# Altium PCB 电感板PCB.PcbDoc
Units mil, origin at the board's own origin, x right, y up, seen from the top; angles counter-clockwise.
Board outline 9055.12 x 1240.24 mil, 2 copper layers (Top Layer, Bottom Layer); 90 components, 45 nets, 228 pads, 148 vias.
Unrouted connection lines stored in the file: 37.
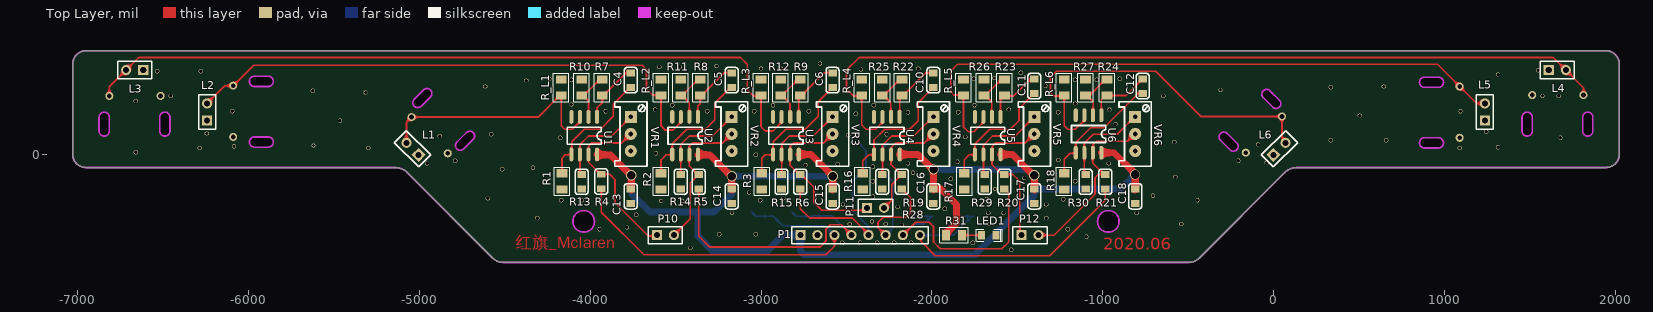
[diagram p0: Top Layer view]
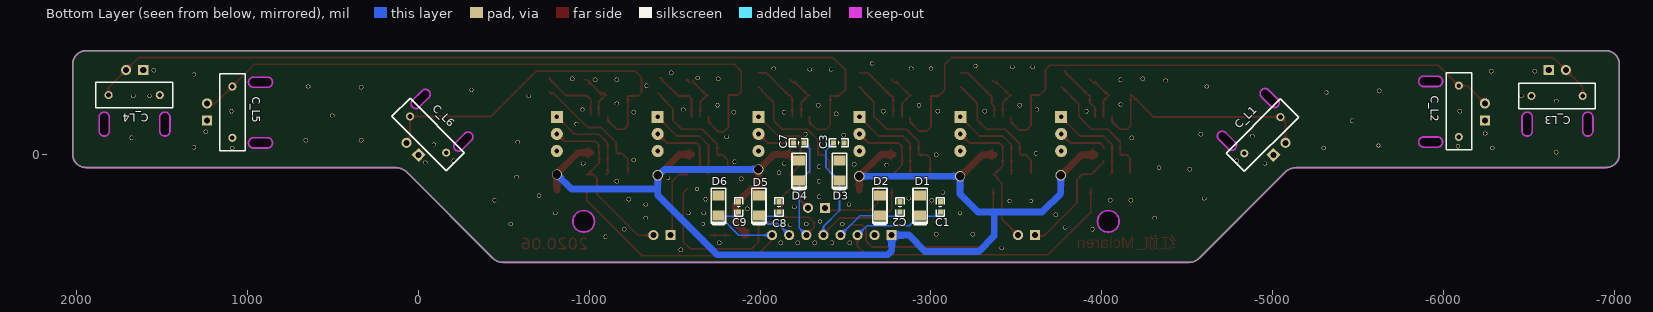
[diagram p1: Bottom Layer view, seen from below]
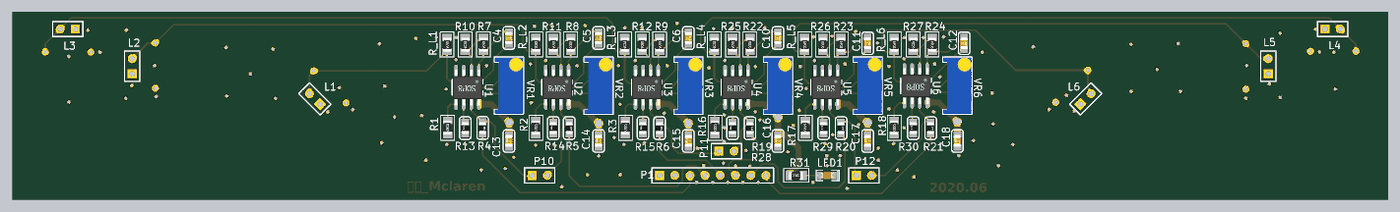
[diagram p2: 3D render of the assembled board from above, using the file's embedded part models]
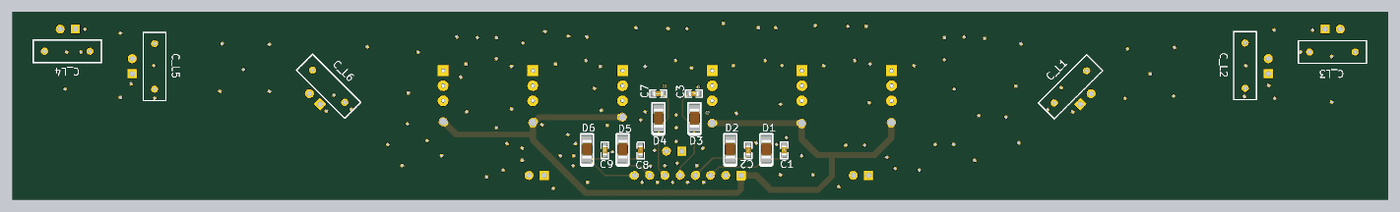
[diagram p3: 3D render of the assembled board from below, using the file's embedded part models]

## Layer stack, top to bottom
Top Solder: solder mask 0.4, Solder Resist, Dk 3.5
Top Layer: signal copper 1.4
Dielectric 1: dielectric 12.6, FR-4, Dk 4.8
Bottom Layer: signal copper 1.4
Bottom Solder: solder mask 0.4, Solder Resist, Dk 3.5

## Board outline
-6951.26,-74.29 -5140.24,-74.29 cw(c-5140.59,-170.25) -5072.92,-102.21 -4570.07,-605.07 -4570,-605 ccw(c-4509.9,-544.9) -4509.9,-629.9 -4510,-630 -495,-630 ccw(c-495,-545) -434.9,-605.1 -435,-605 67.68,-102.32 67.68,-102.31 cw(c135.35,-170.35) 135,-74.39 135.35,-74.29 1946.38,-74.29 ccw(c1946.38,4.45) 2025.12,4.45 2025,5 2025,530 ccw(c1945,530) 1945,610 1946.26,610 -6951.26,610.24 -6950,610 ccw(c-6950,530) -7030,530 -7030,4.45 ccw(c-6951.26,4.45)
cut-out: -60.68,335.68 -5,280 ccw(c15,300) 35,320 -20.68,375.68 -20,375 ccw(c-40,355)
cut-out: -6875,140 ccw(c-6845,140) -6815,140 -6815,220 ccw(c-6845,220) -6875,220
cut-out: -6520,140 ccw(c-6490,140) -6460,140 -6460,220 ccw(c-6490,220) -6520,220
cut-out: -5965,45 cw(c-5965,75) -5965,105 -5885,105 cw(c-5885,75) -5885,45
cut-out: -5965,400 cw(c-5965,430) -5965,460 -5885,460 cw(c-5885,430) -5885,400
cut-out: -5030,325 ccw(c-5010,305) -4990,285 -4934.32,340.68 -4935,340 ccw(c-4955,360) -4975,380 -4974.32,380.68
cut-out: -4780,75 ccw(c-4760,55) -4740,35 -4684.32,90.68 -4685,90 ccw(c-4705,110) -4725,130 -4724.32,130.68
cut-out: -310,85 -254.32,29.32 -255,30 ccw(c-235,50) -215,70 -214.32,69.32 -270,125 ccw(c-290,105)
cut-out: 885,395 965,395 ccw(c965,425) 965,455 885,455 ccw(c885,425)
cut-out: 885,40 cw(c885,70) 885,100 965,100 cw(c965,70) 965,40
cut-out: 1810,140 ccw(c1840,140) 1870,140 1870,220 ccw(c1840,220) 1810,220
cut-out: 1455,140 1455,220 cw(c1485,220) 1515,220 1515,140 cw(c1485,140)
cut-out: -1030,-389.25 ccw(c-967.01,-389.25) -967.01,-452.24 ccw(c-967.01,-389.25) -904.02,-389.25 ccw(c-967.01,-389.25) -967.01,-326.26 ccw(c-967.01,-389.25)
cut-out: -4100.87,-389.25 ccw(c-4037.87,-389.25) -4037.87,-452.24 ccw(c-4037.87,-389.25) -3974.88,-389.25 ccw(c-4037.87,-389.25) -4037.87,-326.26 ccw(c-4037.87,-389.25)

## Design rules (kind name [scope] priority, off if disabled: settings)
Clearance [All] p1: gap=10 ignorepadtopadclearanceinfootprint=FALSE except(0: Arc-Hole Track-Hole SMDPad-Hole THPad-Hole Via-Hole Fill-Hole Poly-Hole Region-Hole Text-Hole)
MinimumSolderMaskSliver [All] p1: minsoldermaskwidth=5
PolygonConnect [InNet('GND') vs InNet('GND')] p1: connectstyle=Direct reliefconductorwidth=10 reliefentries=4 polygonreliefangle="90 Angle" airgapwidth=10
RoutingVias [All] p1: holewidth=28 width=50 viastyle="Through Hole" minholewidth=28 minwidth=50 maxholewidth=28 maxwidth=50
SilkToSilkClearance [All] p1: silktosilkclearance=0
SilkToSolderMaskClearance [IsPad] p1: minsilkscreentomaskgap=0 clearancetoexposedcopper=TRUE
SolderMaskExpansion [All] p1: expansion=4
Width GND [InNet('GND')] p1: maxlimit=30 minlimit=30 preferedwidth=30
Width 5V [InNet('5V')] p2: maxlimit=40 minlimit=40 preferedwidth=40
Width OTHER [All] p3: maxlimit=10 minlimit=10 preferedwidth=10
27 further rules are at their usual default settings.

## Classes and differential pairs
component class 电感板原理图: C1 C2 C3 C4 C5 C6 C7 C8 C9 C10 C11 C12 C13 C14 C15 C16 C17 C18 C_L2 C_L3 C_L5 C_L6 D1 D2 D3 D4 D5 D6 L2 L3 L5 L6 LED1 P1 P10 P11 P12 R1 R2 R3 R4 R5 R6 R7 R8 R9 R10 R11 R12 R13 R14 R15 R16 R17 R18 R19 R20 R21 R22 R23 R24 R25 R26 R27 R28 R29 R30 R31 R_L1 R_L2 R_L3 R_L4 R_L5 R_L6 U1 U2 U3 U4 U5 U6 VR1 VR2 VR3 VR4 VR5

## Components (designator, comment, footprint, x,y, rotation, side; value= is the part's Value field where it differs from the comment)
C1 "2.2μF" "C 0603_L" -3054.88,-305 r90 bottom
C2 "2.2μF" "C 0603_L" -2818.66,-305 r90 bottom
C3 "2.2μF" "C 0603_L" -2460,70 r180 bottom
C4 "2.2nF" 0805C -3762.24,480 r270 top
C5 "2.2nF" 0805C -3171.69,480 r270 top
C6 "2.2nF" 0805C -2581.14,480 r270 top
C7 "2.2μF" "C 0603_L" -2225,70 r0 bottom
C8 "2.2μF" "C 0603_L" -2110,-305 r90 bottom
C9 "2.2μF" "C 0603_L" -1873.78,-305 r90 bottom
C10 "2.2nF" 0805C -1990.59,480 r270 top
C11 "2.2nF" 0805C -1400.04,445 r270 top
C12 "2.2nF" 0805C -765,445 r270 top
C13 "100nF" 0805C -3762.24,-285 r90 top
C14 "100nF" 0805C -3171.69,-285 r90 top
C15 "100nF" 0805C -2581.14,-285 r90 top
C16 "100nF" 0805C -1990.59,-285 r90 top
C17 "100nF" 0805C -1400.04,-285 r90 top
C18 "100nF" 0805C -809.49,-285 r90 top
C_L1 "矫正" RAD-0.3 -4940,115 r135 bottom value=6.8nF (schematic designator C_L3)
C_L2 "矫正" RAD-0.3 -6090,255 r90 bottom value=6.8nF
C_L3 "矫正" RAD-0.3 -6665,345 r180 bottom value=6.8nF (schematic designator C_L1)
C_L4 "矫正" RAD-0.3 1665,350 r0 bottom value=6.8nF (schematic designator C_L6)
C_L5 "矫正" RAD-0.3 1090,250 r90 bottom value=6.8nF
C_L6 "矫正" RAD-0.3 -56.07,118.93 r45 bottom value=6.8nF (schematic designator C_L4)
D1 "ZMM5.1" 1206C -2936.77,-355 r90 bottom
D2 "ZMM5.1" 1206C -2700.55,-355 r90 bottom
D3 "ZMM5.1" 1206C -2464.33,-150 r90 bottom
D4 "ZMM5.1" 1206C -2228.11,-150 r90 bottom
D5 "ZMM5.1" 1206C -1991.89,-355 r90 bottom
D6 "ZMM5.1" 1206C -1755.67,-355 r90 bottom
L1 "Inductor" HDR1X2 -5005,0 r135 top value=10mH (schematic designator L3)
L2 "Inductor" HDR1X2 -6242.6,201.3 r90 top value=10mH
L3 "Inductor" HDR1X2 -6616.61,496.57 r180 top value=10mH (schematic designator L1)
L4 "Inductor" HDR1X2 1611.73,496.57 r0 top value=10mH (schematic designator L6)
L5 "Inductor" HDR1X2 1237.72,201.3 r90 top value=10mH
L6 "Inductor" HDR1X2 0.12,0 r45 top value=10mH (schematic designator L4)
LED1 "LED" LED0805R -1710,-470 r0 top
P1 "Header 8" HDR1X8 -2770,-470 r0 top
P10 "Header 2" HDR1X2 -3610,-470 r0 top
P11 "Header 2" HDR1X2 -2380,-310 r0 top
P12 "Header 2" HDR1X2 -1475,-470 r0 top
R1 "10K" 0805-1R -4165,-155 r90 top
R2 "10K" 0805-1R -3585,-155 r90 top
R3 "10K" 0805-1R -2995,-155 r90 top
R4 "100R" 0805-0R -3935,-113.66 r270 top
R5 "100R" 0805-0R -3365,-115 r270 top
R6 "100R" 0805-0R -2770,-115 r270 top
R7 "30K" 0805-1R -3930,395 r270 top
R8 "30K" 0805-1R -3355,395 r270 top
R9 "30K" 0805-1R -2770,395 r270 top
R10 "1K" 0805-1R -4050,395 r270 top
R11 "1K" 0805-1R -3470,395 r270 top
R12 "1K" 0805-1R -2885,395 r270 top
R13 "510R" 0805-0R -4050,-200 r90 top
R14 "510R" 0805-0R -3470,-200 r90 top
R15 "510R" 0805-0R -2880,-200 r90 top
R16 "10K" 0805-1R -2405,-155 r90 top
R17 "10K" 0805-1R -1810,-155 r90 top
R18 "10K" 0805-1R -1225,-155 r90 top
R19 "100R" 0805-0R -2175,-115 r270 top
R20 "100R" 0805-0R -1575,-115 r270 top
R21 "100R" 0805-0R -985,-115 r270 top
R22 "30K" 0805-1R -2175,395 r270 top
R23 "30K" 0805-1R -1575,395 r270 top
R24 "30K" 0805-1R -975,395 r270 top
R25 "1K" 0805-1R -2290,395 r270 top
R26 "1K" 0805-1R -1695,395 r270 top
R27 "1K" 0805-1R -1100,395 r270 top
R28 "510R" 0805-0R -2290,-200 r90 top
R29 "510R" 0805-0R -1690,-200 r90 top
R30 "510R" 0805-0R -1100,-200 r90 top
R31 "1.5K" 0805-1R -1870,-470 r180 top
R_L1 "Res2" 0805-1R -4170,395 r270 top value=100K
R_L2 "Res2" 0805-1R -3585,395 r270 top value=100K
R_L3 "Res2" 0805-1R -3000,395 r270 top value=100K
R_L4 "Res2" 0805-1R -2410,395 r270 top value=100K
R_L5 "Res2" 0805-1R -1815,395 r270 top value=100K
R_L6 "Res2" 0805-1R -1225,395 r270 top value=100K
U1 "LMV358" SOP8 -3959.09,220.98 r270 top
U2 "LMV358" SOP8 -3368.54,220.98 r270 top
U3 "LMV358" SOP8 -2777.99,220.98 r270 top
U4 "LMV358" SOP8 -2187.44,220.98 r270 top
U5 "LMV358" SOP8 -1596.89,220.98 r270 top
U6 "LMV358" SOP8 -1006.34,230.98 r270 top
VR1 "10K" 3296W -3762.24,122.56 r270 top value=1K
VR2 "10K" 3296W -3171.69,122.56 r270 top value=1K
VR3 "10K" 3296W -2581.14,122.56 r270 top value=1K
VR4 "10K" 3296W -1990.59,122.56 r270 top value=1K
VR5 "10K" 3296W -1400.04,122.56 r270 top value=1K
VR6 "10K" 3296W -809.49,122.56 r270 top value=1K

## Footprints (in the part's own frame and the unit in brackets; to place one, negate y for a bottom-side part, rotate by r counter-clockwise, add the part's x,y. Pads: shape width x height; smd on the part's side, far side on the other; paste and mask are expansions set on the pad)
0805-0R [mil]
  rect 40x50 smd: 1(0,0) 2(85,0)
  silkscreen extent -32,-38 117,38, body extent 3,-25 82,25, height 30
0805-1R [mm]
  rect 1.2x1.6 smd: 1(-1.2,0) 2(1.2,0)
  silkscreen extent -2.1,-1.15 2.1,1.15, body extent -1.09,-0.65 1.21,0.7, height 0.76
0805C [mil]
  rect 40x50 smd: 1(0,0) 2(85,0)
  silkscreen extent -32,-38 117,38, body extent 3,-25 82,25, height 30
1206C [mil]
  rect 59.06x70 smd: 1(-1,0) 2(117.11,0)
  silkscreen extent -53,-42 159,42, body extent -5,-32 121,31, height 37
3296W [mm] "Precise Multi-Winding Adjustable Resistor"
  rect 1.8x1.8 hole 0.7: 1(-2.54,0)
  round 1.8 hole 0.7: 2(0,0) 3(2.54,0)
  silkscreen extent -4.8,-2.4 4.8,2.4, body extent -4.75,-2.4 4.75,2.4, height 11.52
"C 0603_L" [mil] "无极性贴片电容"
  rect 30x30 smd: 1(-30.59,0) 2(30.59,0)
  silkscreen extent -55,-24 55,24, body extent -31,-16 31,16, height 32
HDR1X2 [mm] "Connector; Header; 2 Position"
  rect 1.5x1.5 hole 0.9: 1(0,0)
  round 1.5 hole 0.9: 2(2.54,0)
  silkscreen extent -1.27,-1.27 3.81,1.27
HDR1X8 [mm] "Connector; Header; 8 Position"
  rect 1.5x1.5 hole 0.9: 1(0,0)
  round 1.5 hole 0.9: 2(2.54,0) 3(5.08,0) 4(7.62,0) 5(10.16,0) 6(12.7,0) 7(15.24,0) 8(17.78,0)
  silkscreen extent -1.27,-1.27 19.05,1.27
LED0805R [mil]
  rect 40x50 smd: 1(0,0) 2(85,0)
  silkscreen extent -29,-35 123,35, body extent 3,-24 83,25, height 43
RAD-0.3 [mm] "Radial Cap, Thru-Hole; 2 Leads; 0.3 in Pin Spacing"
  round 1.2 hole 0.7: 1(-3.81,0) 2(3.81,0)
  silkscreen extent -5.71,-1.9 5.71,1.9
SOP8 [mil]
  oval 80x24 smd: 1(-1,-1) 2(-1,-51) 3(-1,-101) 4(-1,-151) 5(219,-151) 6(219,-101) 7(219,-51) 8(219,-1)
  silkscreen extent 59,-176 159,24, body extent -9,-174 229,24, height 63

## Part data
C1 C2 C3 C4 C5 C6 C7 C8 C9 C10 C11 C12: library part Cap
C13 C14 C15 C16 C17 C18: library part Cap, "陶瓷电容"
C_L1 C_L2 C_L3 C_L4 C_L5 C_L6: library part Cap, "Capacitor", LatestRevisionDate=17-Jul-2002, LatestRevisionNote="Re-released for DXP Platform.", PackageDescription="Radial Cap, Thru-Hole; 2 Leads; 0.3 in Pin Spacing", PackageReference=RAD-0.3, Published=8-Jun-2000, Publisher="Altium Limited"
D1 D2 D3 D4 D5 D6: library part "Diode 10TQ040", "Schottky Rectifier", ComponentLink1Description="Manufacturer Link", ComponentLink1URL=http://www.irf.com/, DatasheetVersion=PD-2.057B, LatestRevisionDate=17-Jul-2002, LatestRevisionNote="Re-released for DXP Platform.", Note="Terminal 2 is the TAB and is electrically connected to the cathode", PackageDescription="TO, Thru-Hole, Vertical, Heatsink Mounted; 3 In-Line Leads (1 Absent); Pitch 2.54 mm", PackageReference=TO-220AC, PackageVersion=Feb-1998, Published=8-Jun-2000, Publisher="Altium Limited"
LED1: library part LED3, "Typical BLUE SiC LED", PackageDocument=16-Apr-2002, DatasheetDocument=16-Apr-2002, LatestRevisionDate=17-Dec-2003, LatestRevisionNote="PCB Footprint replaced.", PackageReference=3.5X2.8X1.9, Published=8-Jun-2000, Publisher="Altium Limited"
P1: "Header, 8-Pin", LatestRevisionDate=17-Jul-2002, LatestRevisionNote="Re-released for DXP Platform.", Publisher="Altium Limited"
P10 P11 P12: "Header, 2-Pin", LatestRevisionDate=17-Jul-2002, LatestRevisionNote="Re-released for DXP Platform.", Publisher="Altium Limited"
R1 R2 R3 R4 R5 R6 R7 R8 R9 R10 R11 R12 R13 R14 R15 R16 R17 R18 R19 R20 R21 R22 R23 R24 R25 R26 R27 R28 R29 R30 R31: library part 0805R
R_L1 R_L2 R_L3 R_L4 R_L5 R_L6: "Resistor", LatestRevisionDate=17-Jul-2002, LatestRevisionNote="Re-released for DXP Platform.", PackageDescription="Axial Device, Thru-Hole; 2 Leads; 0.4 in Pin Spacing", PackageReference=AXIAL-0.4, Published=8-Jun-2000, Publisher="Altium Limited"
VR1 VR2 VR3 VR4 VR5 VR6: library part "Res Tap", "Tapped Resistor", LatestRevisionDate=17-Jul-2002, LatestRevisionNote="Re-released for DXP Platform.", PackageDescription="Variable Resistor, Thru-Hole; 3 Leads", PackageReference=VR3, Published=24-Mar-1999, Publisher="Altium Limited", Set Position=0.5, Sim Note="Enter the Resistance value and the set point into parameter fields."
L1 L2 L3 L4 L5 L6: Code_IEC=1005, Code_JEITA=0402, LatestRevisionDate=29-May-2009, LatestRevisionNote="IPC-7351 Footprint Added.", PackageDescription="Chip Inductor", PackageReference=0402-A, Published=8-Jun-2000, Publisher="Altium Limited"

## Via types
v1: diameter 25, hole 20, Top Layer to Bottom Layer, 142 vias
v2: diameter 60, hole 50, Top Layer to Bottom Layer, 6 vias

## Nets (pads, with @x,y where several pads share a name; then routed paths per layer and width w, separated by ;. In a path a pad name is that pad's centre, name@x,y a point inside that pad or via, vN(x,y) a via of type N, cw(c..) or ccw(c..) an arc to the next point about the centre after c; other vN are vias at no path point)
5V: C13.2 C14.2 C15.2 C16.2 C17.2 C18.2 P1.1 R31.2 U1.8 U2.8 U3.8 U4.8 U5.8 U6.8 | length 7641.8
  Top Layer w40: U1.8 -3958.11,0 -3880,0 v2(-3760,-120) C13.2@-3760,-205 ; U2.8@-3370,0 -3300,0 -3175,-125 v2(-3170,-125) C14.2@-3170,-205 ; U3.8 -2706.98,1.98 v2(-2580,-125) C15.2@-2580,-205 ; U4.8 -2081.98,1.98 -1990,-90 C16.2@-1990,-205 ; C16.2@-1985,-200 -1945,-200 -1855,-290 -1855,-399.88 -1917.24,-462.13 R31.2 ; U5.8 -1526.98,1.98 v2@-1402.5,-122.5 ; C17.2@-1400,-205 v2@-1400,-125 ; U6.8 -931.98,11.98 -810,-110 v2(-810,-115) C18.2@-810,-205
  Bottom Layer w40: v2(-3760,-120) -3760,-225 -3650,-335 -3275,-335 -3170,-230 -3170,-130 v2@-3165,-125 ; -3370,-340 -3370,-475 -3280,-565 -2965,-565 -2870,-470 P1.1 -2770,-561.57 -2746.57,-585 -1750,-585 -1400,-235 -1400,-200 ; v2(-3170,-125) v2@-3165,-125 ; v2@-2585,-129.24 -2589.24,-125 v2@-3165,-125 ; v2(-1990,-85) -1440.41,-85 -1405.41,-120 v2(-1400,-120) -1400,-200 ; v2@-810,-120 -815,-120 -895,-200 -1400,-200
GND: C1.2 C2.2 C3.2 C7.2 C8.2 C9.2 C13.1 C14.1 C15.1 C16.1 C17.1 C18.1 C_L1.1 C_L2.1 C_L3.1 C_L4.1 C_L5.1 C_L6.1 D1.2 D2.2 D3.2 D4.2 D5.2 D6.2 L1.1 L2.1 L3.1 L4.1 L5.1 L6.1 LED1.2 P1.2 R1.1 R2.1 R3.1 R10.1 R11.1 R12.1 R13.1 R14.1 R15.1 R16.1 R17.1 R18.1 R25.1 R26.1 R27.1 R28.1 R29.1 R30.1 R_L1.1 R_L2.1 R_L3.1 R_L4.1 R_L5.1 R_L6.1 U1.4 U2.4 U3.4 U4.4 U5.4 U6.4
  other v1: -1535,-555 -3415,-545 -2525,-515 -2420,-515 -2320,-515 -2220,-515 -2120,-515 -1760,-515 -1095,-480 -3245,-465 -3030,-465 -3945,-435 -1205,-435 -3785,-425 -2175,-410 -2480,-405 -2270,-405 -1665,-405 -540,-405 -2350,-390 -4310,-370 -1330,-370 -3730,-350 -3170,-340 -1670,-340 -1580,-340 -800,-340 -1925,-315 -2200,-305 -2520,-290 -1330,-290 -3585,-270 -3460,-270 -4170,-265 -4050,-265 -3005,-265 -445,-265 -1680,-260 -1230,-260 -4600,-255 -2870,-255 -2345,-245 -705,-240 -3070,-220 -1630,-200 -2345,-155 -1160,-155 -1890,-140 -1460,-135 -575,-130 -2110,-105 -4515,-85 -4335,-75 -2345,-70 -2740,-60 -2550,-55 -4955,-50 -2140,-50 -965,-50 -40,-45 -1850,-40 -4790,-35 -205,-35 -1260,-30 -3030,0 -3615,10 -6660,15 -6285,40 -5300,40 1090,40 1315,45 -6085,50 -5620,55 -90,60 -580,75 335,85 660,85 -4175,100 1680,100 -1805,105 -4880,110 -2490,115 -4580,120 -2265,120 -6245,125 1245,135 -925,180 -5465,200 505,230 -2445,240 -2140,250 -1845,250 -1260,250 -6095,255 -3910,255 -3315,255 -3040,255 -2720,255 1095,255 -3620,265 -1550,265 -960,265 -3520,290 -2930,290 -2340,290 -1750,290 -4110,295 -1160,300 -6660,315 -6455,345 -645,345 1575,345 1670,345 -5315,365 -5625,375 -310,380 335,395 -4615,400 645,400 -1335,405 -4375,435 -4110,440 -1160,440 -1035,440 -4240,445 -1755,445 -900,445 -1635,450 1315,470 -1480,480 -6535,490 -6280,490 1550,495 -2415,500 -2290,500 -3000,505 -2885,505 -2080,505 -3595,515 -3475,515 -3260,520 -2655,535
IN1-1: C_L1.2 L1.2 R_L1.2 U1.3 | length 1434.3
  Top Layer w10: L1.2 -5075.71,191.42 C_L1.2 -4304.56,221.07 -4175.63,350 R_L1.2@-4170,350 ; R_L1.2 -4170,170 -4150,150 -4104.08,150 -4060.09,193.98 U1.3
IN1-2: C_L2.2 L2.2 R_L2.2 U2.3 | length 3241.9
  Top Layer w10: L2.2 -6138.9,405 C_L2.2 -5970,525 -3695,525 -3670,500 -3670,385 -3635,350 R_L2.2@-3585,350 ; R_L2.2 -3585,170 -3560,145 -3515,145 -3470,190 U2.3@-3470,220
IN1-3: C_L3.2 L3.2 R_L3.2 U3.3 | length 4477.1
  Top Layer w10: C_L3.2 -6815,398.19 L3.2 ; L3.2@-6713.9,499.29 -6643.19,570 -3120,570 -3080,530 -3080,380 -3045,345 -3000,345 -3000,165 -2975,140 -2930,140 -2878.99,191.01 U3.3@-2878.99,218.99
IN1-4: C_L4.2 L4.2 R_L4.2 U4.3 | length 5028.3
  Top Layer w10: U4.3@-2288.44,221.56 -2288.44,191.56 -2330,150 -2385,150 -2410,175 -2410,345 -2460,345 -2500,385 -2500,495 -2425,570 1638.31,570 L4.2 1815,393.31 C_L4.2
IN1-5: C_L5.2 L5.2 R_L5.2 U5.3 | length 3808.1
  Top Layer w10: R_L5.2 -1815,165 -1785,135 -1755,135 -1697.89,192.11 U5.3 ; R_L5.2@-1815,350 -1870,350 -1890,370 -1890,490 -1850,530 960,530 C_L5.2 1188.7,301.3 L5.2
IN1-6: C_L6.2 L6.2 R_L6.2 U6.3 | length 2161.5
  Top Layer w10: U6.3@-1107.34,227.66 -1107.34,202.66 -1160,150 -1205,150 -1225,170 -1225,345 -1285,345 -1305,365 -1305,455 -1270,490 -690,490 -425,225 C_L6.2 50,104.81 65,89.81 L6.2@65,75
IN2-1: C4.2 R1.2 U1.5 | length 746.7
  Top Layer w10: R1.2 -4165,-20 -4145,0 U1.5@-4110,0 ; U1.5 -4107.42,4.66 -4107.42,77.58 -4035,150 -3940,150 -3865,225 -3865,297.24 -3767.24,395 C4.2
IN2-2: C5.2 R2.2 U2.5 | length 759.6
  Top Layer w10: R2.2 -3585,-30 -3555,0 U2.5@-3520,0 ; U2.5 -3519.54,65.46 -3435,150 -3325,150 -3270,205 -3270,301.69 -3176.69,395 C5.2
IN2-3: C6.2 R3.2 U3.5 | length 768.4
  Top Layer w10: R3.2 -2995,-20 -2975,0 U3.5@-2930,0 ; U3.5 -2928.99,76.01 -2855,150 -2740,150 -2665,225 -2665,311.14 -2601.14,375 -2601.14,380 -2586.14,395 C6.2
IN2-4: C10.2 R16.2 U4.5 | length 777.2
  Top Layer w10: R16.2 -2405,-35 -2370,0 U4.5@-2340,0 ; U4.5 -2338.44,86.56 -2275,150 -2130,150 -2080,200 -2080,305.59 -2010.59,375 -2010.59,380 -1995.59,395 C10.2
IN2-5: C11.2 R17.2 U5.5 | length 725.5
  Top Layer w10: R17.2 -1810,-30 -1780,0 U5.5@-1750,0 ; U5.5 -1747.89,62.11 -1660,150 -1540,150 -1490,200 -1490,270 -1420.04,339.96 -1420.04,345 -1405.04,360 C11.2
IN2-6: C12.2 R18.2 U6.5 | length 735.5
  Top Layer w10: R18.2 -1225,-25 -1190,10 U6.5@-1160,10 ; U6.5 -1157.34,72.66 -1070,160 -990,160 -790,360 C12.2@-790,365 ; C12.2@-780,355 C12.2@-765,370
NetC4_1: C4.1 R7.2 U1.1 | length 345.3
  Top Layer w10: U1.1 -3960.09,220.09 U1.1@-3960,220 ; U1.1@-3960,225 -3960,275 -3930,305 R7.2 ; R7.2@-3930,350 -3919.88,350 -3903.5,366.38 -3903.5,366.5 C4.1@-3780,490
NetC5_1: C5.1 R8.2 U2.1 | length 369.4
  Top Layer w10: U2.1@-3370,220 -3370,285 -3355,300 R8.2@-3355,345 ; R8.2 -3347.13,347.76 -3328.5,366.38 -3328.5,366.5 -3215,480 C5.1
NetC6_1: C6.1 R9.2 U3.1 | length 374
  Top Layer w10: U3.1 -2778.99,336.75 -2780,337.76 -2772.76,345 -2764.88,345 -2743.5,366.38 -2743.5,366.5 -2665,445 -2630,480 C6.1
NetC10_1: C10.1 R22.2 U4.1 | length 367.8
  Top Layer w10: U4.1 -2188.44,331.56 R22.2@-2175,345 ; R22.2 -2167.13,347.76 -2148.5,366.38 -2148.5,366.5 -2035,480 C10.1
NetC11_1: C11.1 R23.2 U5.1 | length 345.1
  Top Layer w10: U5.1 -1597.89,329.13 -1582.02,345 -1520,345 -1415,450 C11.1@-1410,450
NetC12_1: C12.1 R24.2 U6.1 | length 387.9
  Top Layer w10: U6.1 -1007.34,323.29 -985.63,345 R24.2@-975,345 ; R24.2 -862.24,347.76 C12.1 ; C12.1@-770,455 C12.1@-765,455
NetLED1_1: LED1.1 R31.1 | length 117.8
  Top Layer w10: R31.1 LED1.1 LED1.1@-1705,-470
NetR7_1: R7.1 R10.2 U1.2 | length 290.4
  Top Layer w10: R10.2@-4044.37,350 -4010.09,315.72 U1.2 ; R10.2@-4040,350 -4023.62,366.38 -4018.62,366.38 -3961.38,423.62 -3948.62,423.62 R7.1
NetR8_1: R8.1 R11.2 U2.2 | length 298.4
  Top Layer w10: R11.2 R11.2@-3462.13,347.76 ; U2.2@-3420,220 -3420,305.63 R11.2@-3462.13,347.76 ; R8.1@-3355,440 -3371.38,423.62 -3386.26,423.62 R11.2@-3462.13,347.76
NetR9_1: R9.1 R12.2 U3.2 | length 300.5
  Top Layer w10: R12.2 R12.2@-2877.13,347.76 ; U3.2@-2830,220 -2830,300.63 R12.2@-2877.13,347.76 ; R9.1@-2770,440 -2786.38,423.62 -2801.26,423.62 R12.2@-2877.13,347.76
NetR13_2: R13.2 U1.6 VR1.1 | length 544.3
  Top Layer w10: R13.2 -4060.09,-104.91 U1.6 -4060.09,59.91 -4010,110 -3874.8,110 -3792.68,192.13 VR1.1
NetR14_2: R14.2 U2.6 VR2.1 | length 541.5
  Top Layer w10: R14.2@-3469.54,-115.46 U2.6 -3469.54,60.46 -3420,110 -3284.25,110 -3174.25,220 VR2.1@-3170,220
NetR15_2: R15.2 U3.6 VR3.1 | length 544.2
  Top Layer w10: R15.2 -2878.99,-113.99 U3.6 -2878.99,66.01 -2835,110 -2693.7,110 -2583.7,220 VR3.1@-2580,220
NetR22_1: R22.1 R25.2 U4.2 | length 298.4
  Top Layer w10: R25.2 R25.2@-2282.13,347.76 ; U4.2@-2240,220 -2240,305.63 R25.2@-2282.13,347.76 ; R22.1@-2175,440 -2191.38,423.62 -2206.26,423.62 R25.2@-2282.13,347.76
NetR23_1: R23.1 R26.2 U5.2 | length 297
  Top Layer w10: R26.2 -1692.44,350.31 -1684.57,350.31 -1668.5,366.38 -1668.5,366.5 R23.1@-1604.05,430.95 ; R26.2@-1687.13,347.76 -1650,310.63 U5.2@-1650,225 ; R23.1@-1586.38,423.62 R23.1@-1570,440 ; R23.1@-1582.24,435 R23.1
NetR24_1: R24.1 R27.2 U6.2 | length 309.7
  Top Layer w10: R27.2 R27.2@-1081.38,366.38 ; R27.2@-1092.13,347.76 -1055,310.63 U6.2@-1055,230 ; R27.2@-1090,355 -1070,355 -1001.5,423.5 -1001.5,423.62 -985.12,440 R24.1@-975,440
NetR28_2: R28.2 U4.6 VR4.1 | length 538.8
  Top Layer w10: R28.2 -2288.44,-113.44 U4.6 -2288.44,56.56 -2235,110 -2105,110 -2022.87,192.13 -2021.02,192.13 VR4.1
NetR29_2: R29.2 U5.6 VR5.1 | length 540.7
  Top Layer w10: R29.2 -1697.89,-107.11 U5.6 -1697.89,57.11 -1645,110 -1512.6,110 -1402.6,220 VR5.1@-1400,220
NetR30_2: R30.2 U6.6 VR6.1 | length 544.9
  Top Layer w10: U6.6@-1107.34,7.66 -1107.34,-102.34 -1110,-105 R30.2 ; U6.6 -1107.34,67.66 -1055,120 -915,120 -842.87,192.13 -839.92,192.13 VR6.1@-810,222.05
OUT1: C1.1 D1.1 P1.3 R4.2 | length 2239.6
  Top Layer w10: R4.2 -3935,-335 -3685,-585 -2620,-585 -2570,-535 P1.3
  Bottom Layer w10: C1.1 -3030.47,-360 D1.1@-2935,-360 ; D1.1 -2931.3,-356 -2872.3,-415 -2625,-415 P1.3 P1.3@-2570,-475
OUT2: C2.1 D2.1 P1.4 R5.2 | length 1718.2
  Top Layer w10: R5.2 -3365,-475 -3300,-540 -2655,-540 -2620,-505 -2620,-435 -2595,-410 -2530,-410 P1.4
  Bottom Layer w10: C2.1 -2794.25,-360 D2.1@-2705,-360 ; D2.1 -2584,-356 -2520,-420 P1.4
OUT3: C3.1 D3.1 P1.5 R6.2 | length 1213.3
  Top Layer w10: R6.2 -2770,-315 -2715,-370 -2465,-370 -2370,-465 P1.5
  Bottom Layer w10: C3.1 -2385,25.59 -2385,-75.67 -2434.33,-125 -2434.33,-126.47 -2462.86,-155 -2464.33,-155 -2464.33,-325.67 -2370,-420 P1.5
OUT4: C7.1 D4.1 P1.6 R19.2 | length 1067.6
  Top Layer w10: P1.6 -2315,-425 -2315,-395 -2285,-365 -2150,-365 -2125,-340 -2125,-250 R19.2
  Bottom Layer w10: P1.6 -2228.11,-428.11 D4.1 ; C7.1 -2290,35.59 -2290,-94.58 -2230,-154.58 D4.1@-2230,-155
OUT5: C8.1 D5.1 P1.7 R20.2 | length 1440.6
  Top Layer w10: P1.7 -2165,-465 -2095,-395 -2015,-395 -1990,-420 -1990,-510 -1950,-550 -1590,-550 -1550,-510 -1550,-225 -1555,-220 -1555,-215 -1570,-200 R20.2
  Bottom Layer w10: P1.7 -2105,-405 -2046.36,-405 -2001.36,-360 D5.1@-1995,-360 ; C8.1 -2085.86,-359.73 -2015.27,-359.73 D5.1@-2010,-365
OUT6: C9.1 D6.1 P1.8 R21.2 | length 1816.4
  Top Layer w10: P1.8 -2063.51,-476.49 -2063.51,-506.49 -1980,-590 -1310,-590 -985,-265 R21.2
  Bottom Layer w10: P1.8 -1875.14,-470 -1765.14,-360 D6.1@-1755,-360 ; C9.1 -1849.37,-360 D6.1@-1780,-360
TEST1: P10.1 R4.1 U1.7 VR1.2 | length 954.2
  Top Layer w10: U1.7@-4010,-35 -4010,-43.66 -3940,-113.66 R4.1 -3886.34,-113.66 -3855,-145 -3855,-280 -3660,-475 P10.1@-3610,-475 ; U1.7@-4010,40 -4010,50 -3990,70 -3814.8,70 VR1.2
TEST2: P10.2 R5.1 U2.7 VR2.2 | length 879.9
  Top Layer w10: P10.2 -3415,-375 -3415,-165 -3385,-135 -3385,-130 R5.1@-3370,-115 ; U2.7@-3420,0 -3420,-65 R5.1@-3370,-115 ; U2.7 -3419.54,50.46 -3400,70 -3224.25,70 VR2.2 ; R5.1 R5.1@-3370,-115
TEST3: P11.1 R6.1 U3.7 VR3.2 | length 1021.4
  Top Layer w10: U3.7@-2830,0 -2830,-60 R6.1@-2775,-115 ; U3.7 -2828.99,51.01 -2810,70 -2633.7,70 VR3.2 ; R6.1@-2790,-130 R6.1@-2775,-115 ; R6.1 R6.1@-2775,-115 ; R6.1@-2765,-115 -2750,-130 -2690,-190 -2690,-280 -2645,-325 -2395,-325 P11.1
TEST4: P11.2 R19.1 U4.7 VR4.2 | length 703.6
  Top Layer w10: P11.2 -2235,-265 -2235,-175 -2195,-135 -2195,-130 R19.1@-2180,-115 ; R19.1 R19.1@-2180,-115 ; VR4.2 -2043.15,70 -2210,70 -2235.76,44.24 -2235.76,4.66 U4.7 -2238.44,-56.56 R19.1@-2180,-115
TEST5: P12.1 R20.1 U5.7 VR5.2 | length 877.4
  Top Layer w10: U5.7 -1647.89,-57.11 R20.1@-1600,-105 ; U5.7@-1645.21,5.21 -1645.21,36.45 -1645,36.66 -1645,50 -1625,70 -1452.6,70 VR5.2 ; R20.1 -1525,-115 -1485,-155 -1485,-465 P12.1@-1475,-475
TEST6: P12.2 R21.1 U6.7 VR6.2 | length 1075.6
  Top Layer w10: P12.2 -1285,-470 -1045,-230 -1045,-135 -1025,-115 R21.1@-990,-115 ; R21.1@-985,-120 R21.1@-990,-115 ; R21.1 R21.1@-990,-115 ; VR6.2@-810,125 -855,80 -1035,80 -1054.66,60.34 -1054.66,14.66 U6.7 -1057.34,-47.66 R21.1@-990,-115
pads on no net: VR1.3 VR2.3 VR3.3 VR4.3 VR5.3 VR6.3

## Keep-outs
Keep-Out Layer:
  circle w10: c-967.01,-389.25 r62.99
  circle w10: c-4037.87,-389.25 r62.99
  lines w10: -7030,4.45 ccw(c-6951.26,4.45) -6951.26,-74.29 -5140.24,-74.29 cw(c-5140.59,-170.25) -5072.92,-102.21 -4570.07,-605.07 ; -7030,5 -7030,530 cw(c-6950,530) -6950,610 ; -6951.26,610.24 1946.26,610 ; -4975,380 cw(c-4955,360) -4935,340 ; -4974.32,380.68 -5030,325 ccw(c-5010,305) -4990,285 -4934.32,340.68 ; -4725,130 cw(c-4705,110) -4685,90 ; -4724.32,130.68 -4780,75 ccw(c-4760,55) -4740,35 -4684.32,90.68 ; -4570,-605 ccw(c-4509.9,-544.9) -4509.9,-629.9 ; -4510,-630 -495,-630 ccw(c-495,-545) -434.9,-605.1 ; -435,-605 67.68,-102.32 67.68,-102.31 cw(c135.35,-170.35) 135,-74.39 ; -255,30 ccw(c-235,50) -215,70 ; -254.32,29.32 -310,85 cw(c-290,105) -270,125 -214.32,69.32 ; -60.68,335.68 -5,280 ccw(c15,300) 35,320 -20.68,375.68 ; -60,335 cw(c-40,355) -20,375 ; 67.87,-102.87 67.87,-102.13 ; 135.35,-74.29 1946.38,-74.29 ccw(c1946.38,4.45) 2025.12,4.45 ; 1945,610 cw(c1945,530) 2025,530 ; 2025,5 2025,531.26 ; -6875,140 ccw(c-6845,140) -6815,140 -6815,220 ccw(c-6845,220) -6875,220 -6875,140 ; -6520,140 ccw(c-6490,140) -6460,140 -6460,220 ccw(c-6490,220) -6520,220 -6520,140 ; -5965,45 cw(c-5965,75) -5965,105 -5885,105 cw(c-5885,75) -5885,45 -5965,45 ; -5965,400 cw(c-5965,430) -5965,460 -5885,460 cw(c-5885,430) -5885,400 -5965,400 ; 885,40 cw(c885,70) 885,100 965,100 cw(c965,70) 965,40 885,40 ; 885,395 cw(c885,425) 885,455 965,455 cw(c965,425) 965,395 885,395 ; 1455,140 ccw(c1485,140) 1515,140 1515,220 ccw(c1485,220) 1455,220 1455,140 ; 1810,140 ccw(c1840,140) 1870,140 1870,220 ccw(c1840,220) 1810,220 1810,140

## Other copper
Top Layer:
  text "红旗_Mclaren" at -4435,-570 h120
  text "2020.06" at -995,-580 h120